# Altium PCB Toradex_Colibri.PcbDoc (part 1 of 2)
Units mm, origin at the board's own origin, x right, y up, seen from the top; angles counter-clockwise.
Board outline 152.4 x 101.6 mm, 2 copper layers (Top Layer, Bottom Layer); 270 components, 262 nets, 1248 pads, 9 vias.
Unrouted connection lines stored in the file: 707.
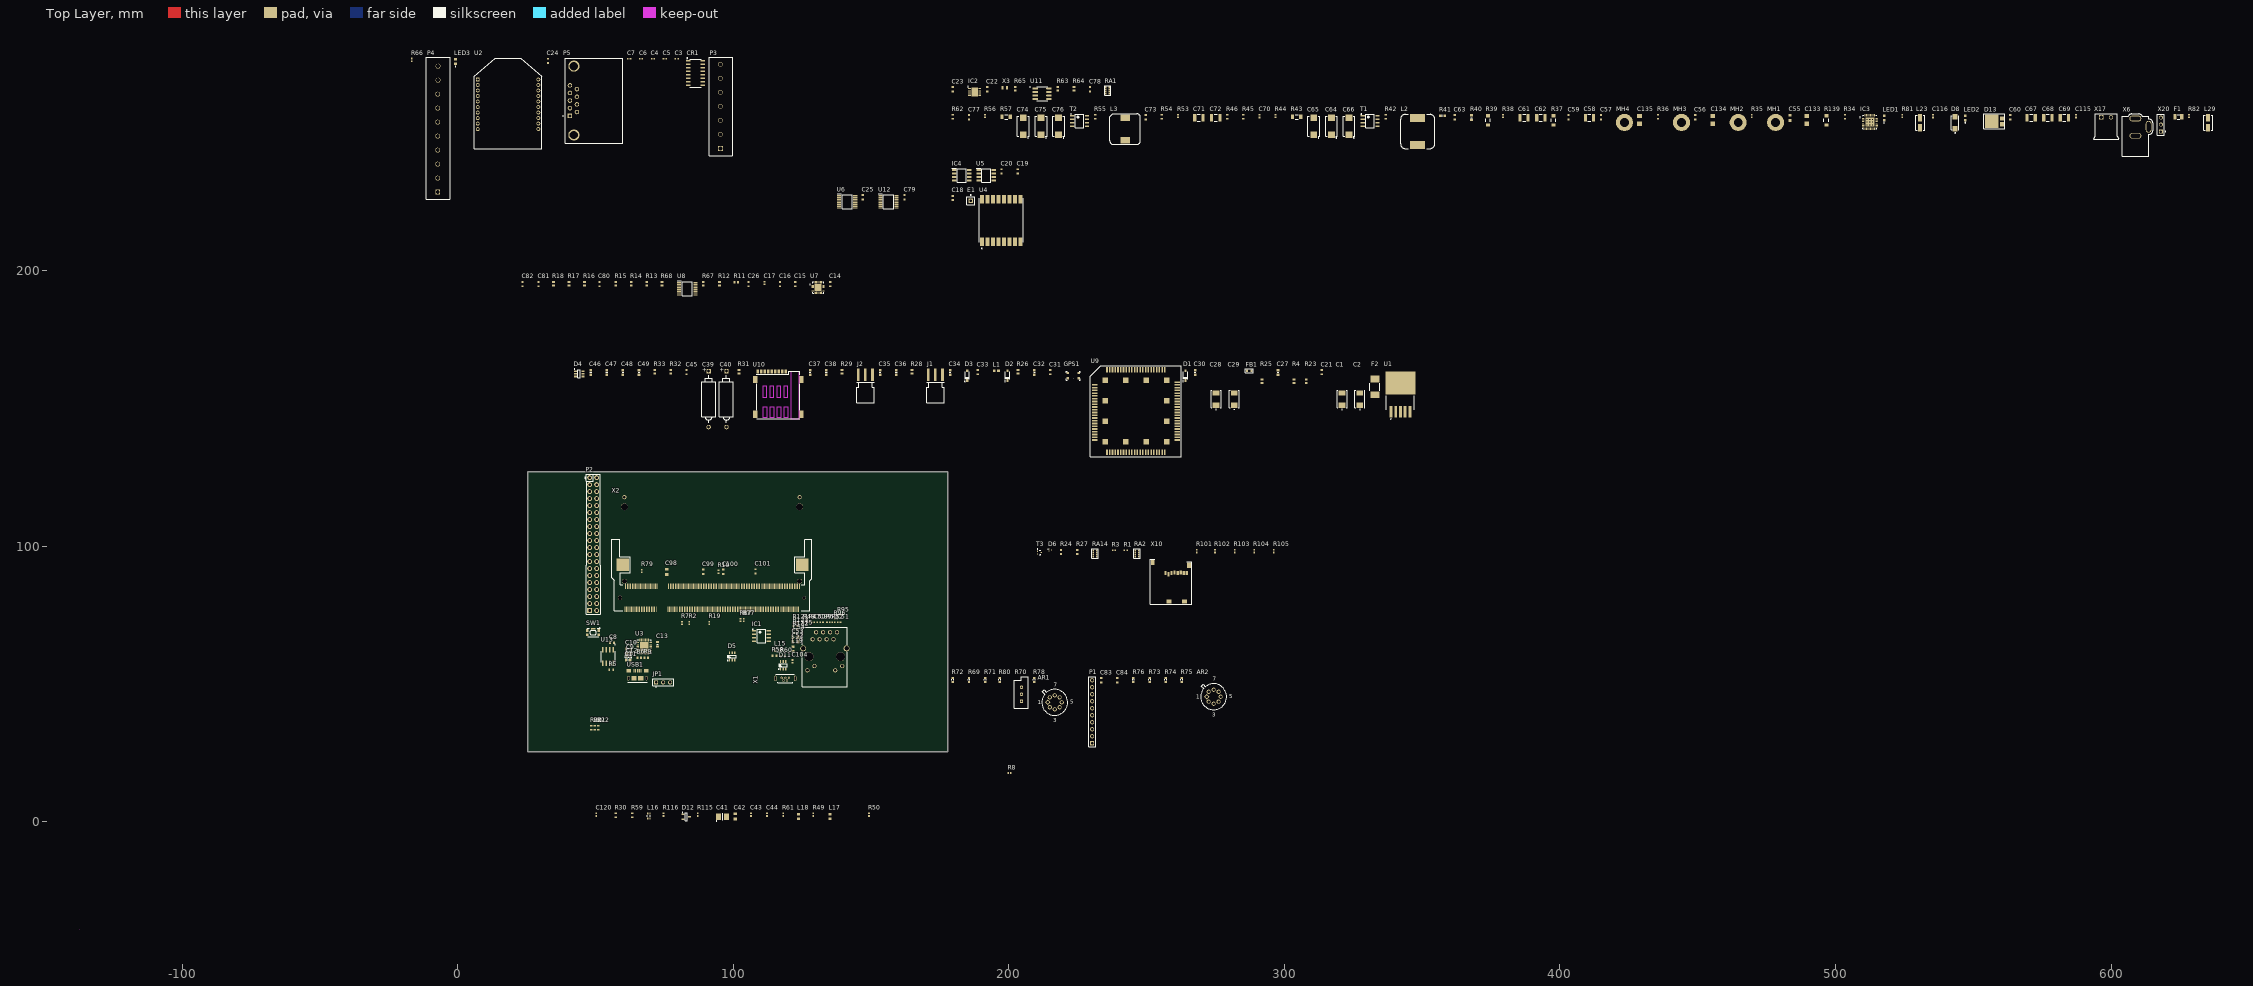
[diagram p0: Top Layer view]
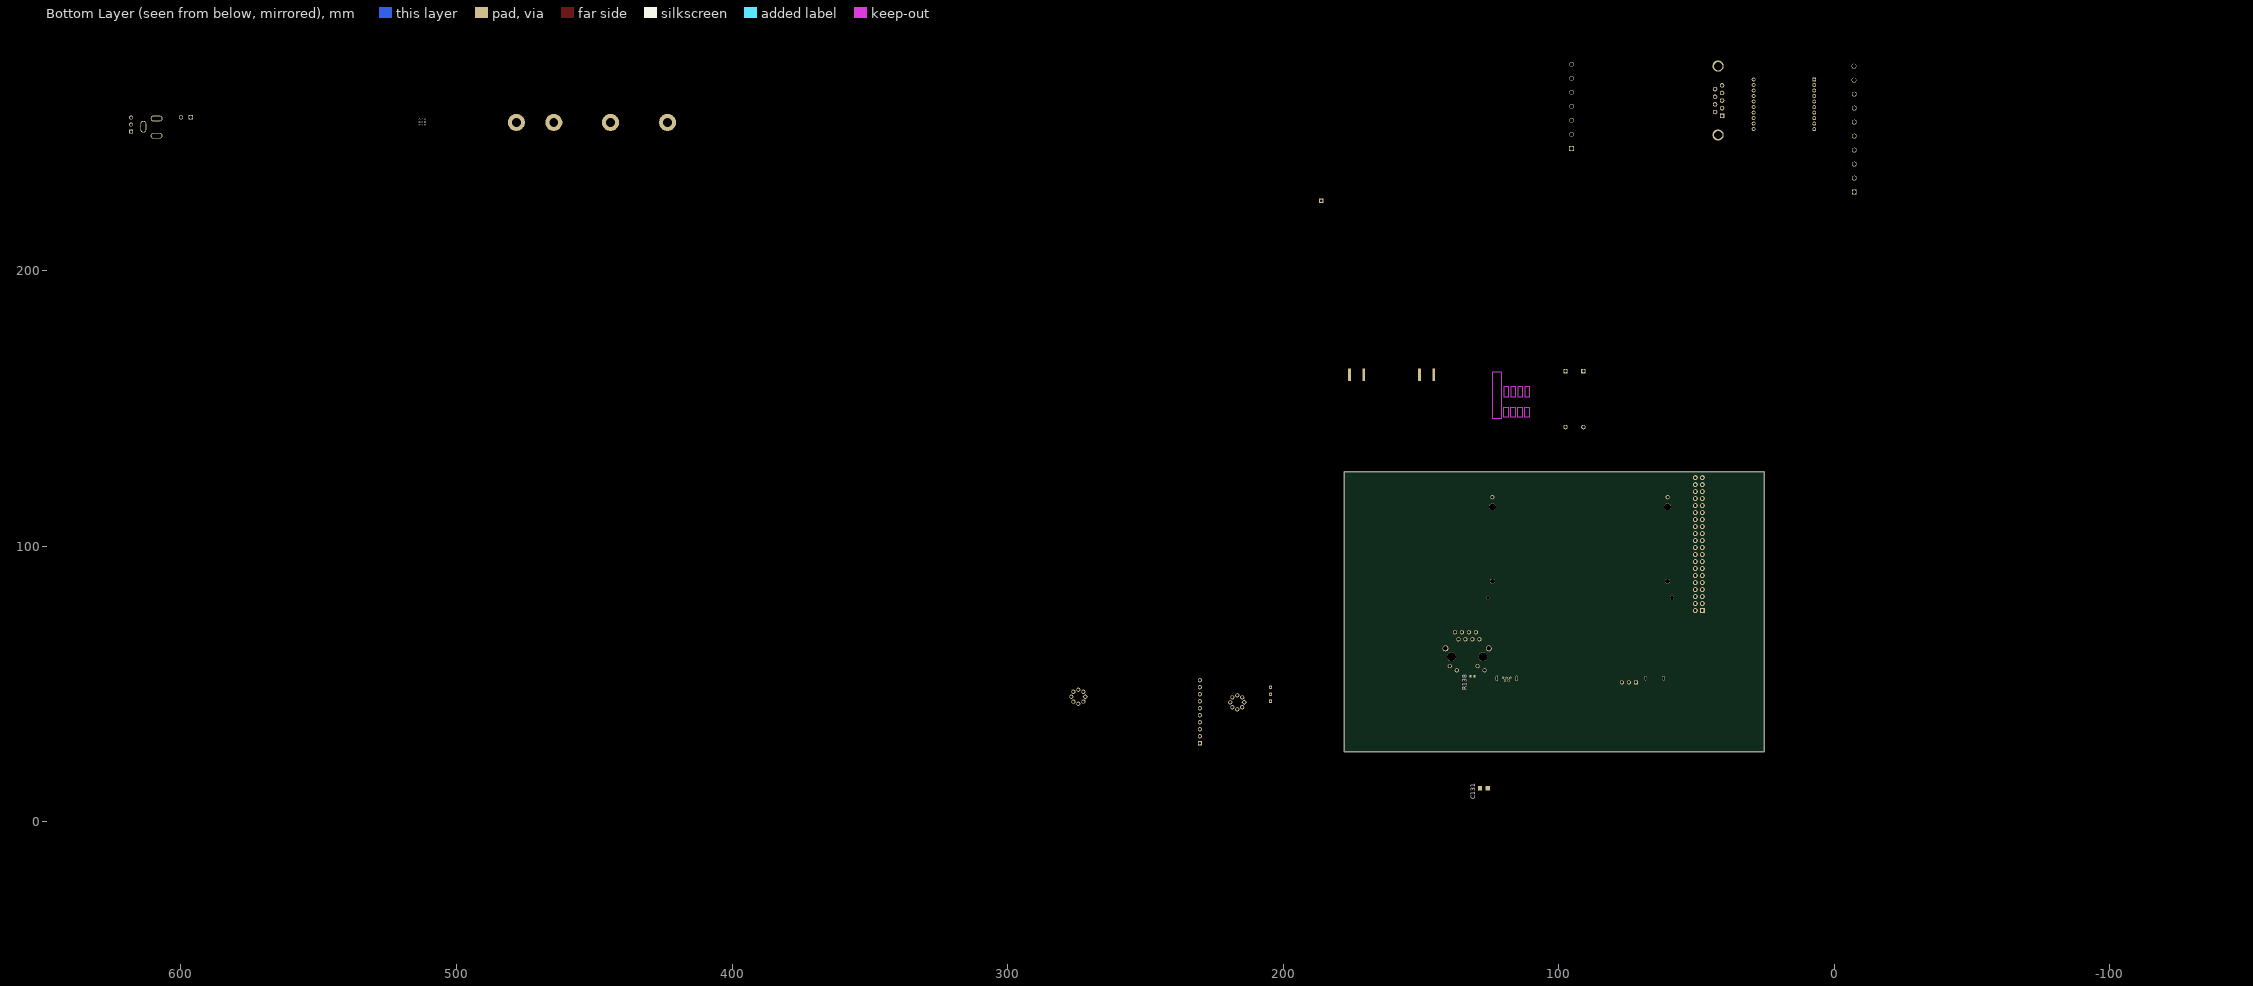
[diagram p1: Bottom Layer view, seen from below]

## Layer stack, top to bottom
Top Solder: solder mask 0.0102, Solder Resist, Dk 3.5
Top Layer: signal copper 0.0356
Dielectric 1: dielectric 0.32, FR-4, Dk 4.8
Bottom Layer: signal copper 0.0356
Bottom Solder: solder mask 0.0102, Solder Resist, Dk 3.5

## Board outline
25.4,25.4 177.8,25.4 177.8,127 25.4,127

## Design rules (kind name [scope] priority, off if disabled: settings)
Clearance [All] p1: gap=0.11 ignorepadtopadclearanceinfootprint=FALSE except(0: Arc-Hole Track-Hole SMDPad-Hole THPad-Hole Via-Hole Fill-Hole Poly-Hole Region-Hole Text-Hole)
ComponentClearance [All] p1: gap=0.1 collisioncheckmode=3 verticalgap=0.1 showdistances=FALSE
DiffPairsRouting [All] p1: maxlimit=0.254 minlimit=0.254 mostfreqgap=0.254 toplayer_minwidth=0.381 toplayer_maxwidth=0.381 toplayer_prefwidth=0.381 bottomlayer_minwidth=0.381 bottomlayer_maxwidth=0.381 bottomlayer_prefwidth=0.381 maxuncoupledlength=12.7
PolygonConnect [All] p1: connectstyle=Relief reliefconductorwidth=0.254 reliefentries=4 polygonreliefangle="90 Angle" airgapwidth=0.254
RoomDefinition Zigbee [InComponentClass('Zigbee')] p1: confinementstyle=ConfineIn formatcopy=TRUE lockcomponents=FALSE outline 0,225.527 117.348,225.527 117.348,280.137 0,280.137
RoomDefinition Serial [InComponentClass('Serial')] p2: confinementstyle=ConfineIn formatcopy=TRUE lockcomponents=FALSE outline 137.143,221.88 166.353,221.88 166.353,230.643 137.143,230.643
RoomDefinition SDCard [InComponentClass('SDCard')] p3: confinementstyle=ConfineIn formatcopy=TRUE lockcomponents=FALSE outline 209.55,78.585 301.625,78.585 301.625,101.826 209.55,101.826
RoomDefinition RTC [InComponentClass('RTC')] p4: confinementstyle=ConfineIn formatcopy=TRUE lockcomponents=FALSE outline 178.943,260.985 238.887,260.985 238.887,269.875 178.943,269.875
RoomDefinition PowerSupply [InComponentClass('PowerSupply')] p5: confinementstyle=ConfineIn formatcopy=TRUE lockcomponents=FALSE outline 178.943,241.173 638.302,241.173 638.302,259.715 178.943,259.715
RoomDefinition Other [InComponentClass('Other')] p6: confinementstyle=ConfineIn formatcopy=TRUE lockcomponents=FALSE outline 178.943,231.648 207.137,231.648 207.137,240.03 178.943,240.03
RoomDefinition LoRa [InComponentClass('LoRa')] p7: confinementstyle=ConfineIn formatcopy=TRUE lockcomponents=FALSE outline 178.943,207.645 205.74,207.645 205.74,230.378 178.943,230.378
RoomDefinition L506 [InComponentClass('L506')] p8: confinementstyle=ConfineIn formatcopy=TRUE lockcomponents=FALSE outline 41.656,131.119 348.742,131.119 348.742,167.187 41.656,167.187
RoomDefinition Analog_Inputs [InComponentClass('Analog_Inputs')] p9: confinementstyle=ConfineIn formatcopy=TRUE lockcomponents=FALSE outline 178.943,26.924 281.432,26.924 281.432,55.372 178.943,55.372
RoutingVias [All] p1: holewidth=0.711 width=1.27 viastyle="Through Hole" minholewidth=0.711 minwidth=1.27 maxholewidth=0.711 maxwidth=1.27
SolderMaskExpansion [All] p1: expansion=0.102 istentingtop=FALSE
Width [All] p1: maxlimit=0.254 minlimit=0.254 preferedwidth=0.254
28 further rules are at their usual default settings.

## Classes and differential pairs
net class USB[0..6]: USB0 USB1 USB2 USB3 USB4 USB5 USB6
net class SD[0..6]: SD0 SD1 SD2 SD3 SD4 SD5 SD6
net class "50 Ohm": ANT_AUX ANT_GNSS ANT_MAIN NetC32_1 NetC32_2 NetC36_2 NetC38_2 NetGPS1_1
component class Zigbee: C3 C4 C5 C6 C7 C24 CR1 LED3 P3 P4 P5 R66 U2
component class USB: C41 C42 C43 C44 C104 C120 D5 D11 D12 IC1 L15 L16 L17 L18 R8 R30 R49 R50 R58 R59 R60 R61 R77 R87 R115 R116 X1
component class SPI: C14 C15 C16 C17 C26 C80 C81 C82 P2 R11 R12 R13 R14 R15 R16 R17 R18 R67 R68 U7 U8
component class Serial: C25 C79 U6 U12
component class SDCard: D6 R1 R3 R24 R27 R101 R102 R103 R104 R105 RA2 RA14 T3 X10
component class RTC: C22 C23 C78 IC2 R63 R64 R65 RA1 U11 X3
component class PowerSupply: C55 C56 C57 C58 C59 C60 C61 C62 C63 C64 C65 C66 C67 C68 C69 C70 C71 C72 C73 C74 C75 C76 C77 C115 C116 C133 C134 C135 D8 D13 F1 IC3 L2 L3 L23 L29 LED1 LED2 MH1 MH2 MH3 MH4 R34 R35 R36 R37 R38 R39 R40 R41 R42 R43 R44 R45 R46 R53 R54 R55 R56 R57 R62 R81 R82 R139 T1 T2 X6 X17 X20
component class Other: C19 C20 IC4 U5
component class LoRa: C18 E1 U4
component class L506: C1 C2 C21 C27 C28 C29 C30 C31 C32 C33 C34 C35 C36 C37 C38 C39 C40 C45 C46 C47 C48 C49 D1 D2 D3 D4 F2 FB1 GPS1 J1 J2 L1 R4 R23 R25 R26 R28 R29 R31 R32 R33 U1 U9 U10
component class Ethernet: C50 C51 C52 C53 C54 C89 C131 L19 R47 R48 R51 R52 R95 R96 R121 R122 R123 R138 X15
component class DebugConsole: C8 C9 C10 C11 C12 C13 R5 R6 R9 U3 U13 USB1
component class Colibri: C98 C99 C100 C101 JP1 R2 R7 R10 R19 R20 R21 R22 R79 SW1 X2
component class Analog_Inputs: AR1 AR2 C83 C84 P1 R69 R70 R71 R72 R73 R74 R75 R76 R78 R80
differential pair USBH: +USBH_P -USBH_N
differential pair USBC: +USBC_P -USBC_N
differential pair USB_HOST: +USB_HOST_P -USB_HOST_N
differential pair USB_CLIENT: +USB_CLIENT_P -USB_CLIENT_N
differential pair RS485_TX: +RS485_TX_P -RS485_TX_N
differential pair RS485_RX: +RS485_RX_P -RS485_RX_N

## Components (designator, comment, footprint, x,y, rotation, side; value= is the part's Value field where it differs from the comment)
AR1 "Op Amp" H-08A 216.662,43.307 r0 top
AR2 "Op Amp" H-08A 274.32,45.339 r0 top
C1 "100uF" "2312 Tant" 320.929,153.344 r90 top
C2 "330uF" "2312 Tant" 327.406,153.344 r90 top
C3 "100pF" CAPC1005X60N 79.479,276.835 r0 top
C4 "100pF" CAPC1005X60N 70.843,276.835 r0 top
C5 "100pF" CAPC1005X60N 75.161,276.835 r0 top
C6 "100pF" CAPC1005X60N 66.525,276.835 r0 top
C7 "100pF" CAPC1005X60N 62.207,276.835 r0 top
C8 "100nF" T_CAPC0603X33N 56.007,64.897 r0 top
C9 "100nF" CAPC1608X06L 62.103,61.214 r180 top
C10 "4.7uF" CAPC1608X100N 61.976,62.648 r180 top
C11 "1uF" CAPC1608X100N 61.849,58.547 r180 top
C12 "100nF" CAPC1608X06L 61.976,59.944 r180 top
C13 "4.7uF" CAPC1608X100N 72.517,64.389 r90 top
C14 "100nF" T_CAPC0603X33N 135.255,195.072 r90 top
C15 "100nF" T_CAPC0603X33N 122.555,195.072 r90 top
C16 "100nF" T_CAPC0603X33N 116.967,195.072 r90 top
C17 "1nF" CAPC1005X60N 111.379,195.453 r90 top
C18 "100nF" T_CAPC0603X33N 179.705,226.314 r90 top
C19 "100nF" T_CAPC0603X33N 203.2,235.966 r90 top
C20 "100nF" T_CAPC0603X33N 197.358,235.966 r90 top
C21 "100nF" T_CAPC0603X33N 313.563,163.123 r90 top
C22 "100nF" T_CAPC0603X33N 192.151,265.811 r90 top
C23 "100nF" T_CAPC0603X33N 179.705,265.811 r90 top
C24 "100nF" T_CAPC0603X33N 32.743,276.073 r90 top
C25 "100nF" T_CAPC0603X33N 147.049,226.579 r90 top
C26 "100nF" T_CAPC0603X33N 105.537,195.072 r90 top
C27 "1uF" CAPC1608X100N 297.688,162.996 r90 top
C28 "100uF" "2312 Tant" 275.209,153.344 r90 top
C29 "100uF" "2312 Tant" 281.813,153.344 r90 top
C30 "1uF" CAPC1608X100N 267.589,162.996 r90 top
C31 "100nF" T_CAPC0603X33N 215.011,163.123 r90 top
C32 "0.8pF" CAPC1608X100N 209.296,162.996 r90 top
C33 "100nF" T_CAPC0603X33N 188.722,163.123 r90 top
C34 "5.1pF" CAPC1608X100N 178.689,162.996 r90 top
C35 "NF" CAPC1608X100N 153.289,162.996 r90 top
C36 "NF" CAPC1608X100N 159.131,162.996 r90 top
C37 "NF" CAPC1608X100N 127.889,162.996 r90 top
C38 "NF" CAPC1608X100N 133.731,162.996 r90 top
C39 "100uF" POLAR0.8 91.059,153.344 r90 top
C40 "100uF" POLAR0.8 97.536,153.344 r90 top
C41 "100uF" CAPMP3528X210N 96.139,1.775 r0 top
C42 "22uF" T_CAPC0805X125N 100.711,1.902 r90 top
C43 "100nF" CAPC1005X60N 106.426,2.537 r90 top
C44 "100nF" CAPC1005X60N 112.268,2.537 r90 top
C45 "100nF" T_CAPC0603X33N 83.058,163.123 r90 top
C46 "0603" CAPC1608X100N 48.26,162.996 r90 top value=33pF
C47 "0603" CAPC1608X100N 54.102,162.996 r90 top value=33pF
C48 "0603" CAPC1608X100N 59.944,162.996 r90 top value=33pF
C49 "0603" CAPC1608X100N 65.786,162.996 r90 top value=0.1uF
C50 "100nF" CAPC1005X60N 129.921,72.39 r180 top
C51 "100nF" CAPC1005X60N 138.43,72.39 r180 top
C52 "47uF" T_CAPC0805X125N 122.555,65.278 r0 top
C53 "47uF" T_CAPC0805X125N 122.555,66.929 r0 top
C54 "100nF" CAPC1005X60N 122.555,68.453 r0 top
C55 "10uF" T_CAPC0805X125N 483.489,255.397 r90 top
C56 "1uF" T_CAPC0603X33N 449.072,255.651 r90 top
C57 "10uF" T_CAPC0603X33N 414.909,255.651 r90 top
C58 "22uF" CAPC3225X160N 410.718,255.397 r0 top
C59 "1nF" T_CAPC0603X33N 403.098,255.651 r90 top
C60 "100nF" T_CAPC0603X33N 563.372,255.651 r90 top
C61 "10uF" CAPC3225X160N 386.969,255.397 r0 top
C62 "10uF" CAPC3225X160N 393.065,255.397 r0 top
C63 "100nF" T_CAPC0603X33N 361.823,255.651 r90 top
C64 "150uF" CAPMP7343X310N 317.119,252.349 r90 top
C65 "150uF" CAPMP7343X310N 310.642,252.349 r90 top
C66 "150uF" CAPMP7343X310N 323.469,252.349 r90 top
C67 "10uF" CAPC3225X160N 570.992,255.397 r0 top
C68 "10uF" CAPC3225X160N 577.088,255.397 r0 top
C69 "10uF" CAPC3225X160N 583.057,255.397 r0 top
C70 "2.7nF" CAPC1005X60N 290.957,256.032 r90 top
C71 "10uF" CAPC3225X160N 268.986,255.397 r0 top
C72 "10uF" CAPC3225X160N 275.082,255.397 r0 top
C73 "100nF" T_CAPC0603X33N 249.682,255.651 r90 top
C74 "150uF" CAPMP7343X310N 205.232,252.349 r90 top
C75 "150uF" CAPMP7343X310N 211.709,252.349 r90 top
C76 "150uF" CAPMP7343X310N 218.059,252.349 r90 top
C77 "1nF" T_CAPC0603X33N 185.547,255.651 r90 top
C78 "100nF" T_CAPC0603X33N 229.489,265.811 r90 top
C79 "100nF" T_CAPC0603X33N 162.162,226.579 r90 top
C80 "100nF" T_CAPC0603X33N 51.435,195.072 r90 top
C81 "100nF" T_CAPC0603X33N 29.337,195.072 r90 top
C82 "100nF" T_CAPC0603X33N 23.495,195.072 r90 top
C83 "100nF" T_CAPC0603X33N 233.553,51.308 r90 top
C84 "100nF" T_CAPC0603X33N 239.395,51.308 r90 top
C89 "100nF" CAPC1005X60N 132.08,72.39 r0 top
C98 "22uF" T_CAPC0805X125N 75.819,90.678 r270 top
C99 "4.7uF" T_CAPC0603X33N 89.154,90.678 r90 top
C100 "4.7uF" T_CAPC0603X33N 96.393,90.678 r90 top
C101 "4.7uF" T_CAPC0603X33N 108.077,90.805 r90 top
C104 "100nF" CAPC1005X60N 121.539,58.166 r90 top
C115 "100nF" CAPC1005X60N 587.248,256.032 r90 top
C116 "100nF" CAPC1005X60N 535.432,256.032 r90 top
C120 "100nF" CAPC1005X60N 50.292,2.537 r90 top
C131 "1nF" T_CAPC1206X180N 127.127,12.08 r0 bottom
C133 "1nF" T_CAPC1206X180N 489.585,254.635 r90 top
C134 "1nF" T_CAPC1206X180N 455.422,254.635 r90 top
C135 "1nF" T_CAPC1206X180N 428.879,254.635 r90 top
CR1 "ST3232EBDR" SO-16_STM 86.337,271.628 r0 top
D1 "MMSZ5231B-TP" SOD3715X145N 264.16,161.853 r90 top
D2 "TVS" SOD3715X145N 199.517,161.853 r90 top
D3 "TVS" SOD3715X145N 184.912,161.853 r90 top
D4 "ESDA6V1-5SC6" SOT95P280X100-6N 44.069,162.488 r0 top
D5 "RCLAMP0504S" T_SOT95P285X90-6N 99.568,59.944 r90 top
D6 "TPD2EUSB30DRTR" T_TI_TPD2EUSB30DRTR 215.011,98.524 r0 top
D8 "D-Littelfuse-SMAJ30CA-Schottky" T_LITTLEFUSE_SMAJ30CA 543.433,253.619 r90 top
D11 "RCLAMP0504S" T_SOT95P285X90-6N 118.11,56.769 r90 top
D12 "BAT54C" SOT95P230X110-3N 82.931,1.775 r0 top
D13 "SS8P6C-M3/86A" T_DIOM_TO277A 556.641,254.127 r0 top
E1 "142-0701-801" PIN1 186.182,225.298 r0 top
F1 "8A" T_Littelfuse_0458 624.459,255.778 r0 top
F2 "Fuse 1" SSQC_BEL 332.867,157.789 r90 top
FB1 "FBTH1608HL300-T" IND-0603 287.274,163.631 r0 top
GPS1 "1462350001" 1462350001 223.393,161.853 r0 top
IC1 "TPS2042BD" SOIC127P600X173-8N 110.236,67.31 r0 top
IC2 "A7101CHTK2_T0BC2VJ" SON80P400X400X100-9N-D 187.579,264.795 r0 top
IC3 "TPS51120" QFN50P500X500X100-33N 512.445,253.873 r0 top
IC4 "TLE9251VSJXUMA1" SOIC127P602X173-8N 182.88,234.569 r0 top
J1 "EMPCB.SMAFSTJ.B.HT" EMPCB.SMAFSTJ.B.HT 173.355,162.107 r0 top
J2 "EMPCB.SMAFSTJ.B.HT" EMPCB.SMAFSTJ.B.HT 147.955,162.107 r0 top
JP1 "826936-3" T_TYCO_826936-3 72.009,50.546 r0 top
L1 "3.3nH" INDC1608X100N 195.453,163.631 r0 top
L2 "8.2uH" T_INDM120120X80N 348.361,250.444 r0 top
L3 "4.7uH" T_INDM102102X45N 242.189,251.333 r0 top
L15 "90R@100MHz" T_Murata_DLW21SN900SQ2 116.078,62.23 r0 top
L16 "90R@100MHz" T_Murata_DLW21SN900SQ2 69.342,2.029 r90 top
L17 "220R@100MHz" INDC1608X95N 135.128,1.902 r90 top
L18 "220R@100MHz" INDC1608X95N 123.698,1.902 r90 top
L19 "220R@100MHz" INDC1608X95N 121.666,62.611 r90 top
L23 "36R@100MHz" T_Laird_35F0121-0SR-10 530.733,253.619 r90 top
L29 "36R@100MHz" T_Laird_35F0121-0SR-10 635.254,253.619 r90 top
LED1 "LED" LEDC1608X80N 517.652,255.397 r90 top
LED2 "LED" LEDC1608X80N 547.116,255.397 r90 top
LED3 "LED" LEDC1608X80N -0.785,275.819 r90 top
MH1 "MECH-MountingHoles" T_MountingHoles 478.282,253.746 r0 top
MH2 "MECH-MountingHoles" T_MountingHoles 464.693,253.746 r0 top
MH3 "MECH-MountingHoles" T_MountingHoles 444.119,253.746 r0 top
MH4 "MECH-MountingHoles" T_MountingHoles 423.418,253.746 r0 top
P1 "Header 10" HDR1X10 230.251,28.448 r90 top
P2 "Raspbbery Pi" RASPI_GPIO_B+_PIN 49.149,100.711 r0 top
P3 "MB612-50807" MB612-50807 95.354,259.563 r90 top
P4 "MB612-50810" "1729186 5.08 - 10pos" -7.135,246.228 r90 top
P5 "RS232" 2301843-1 40.744,256.134 r90 top
R1 "22R" RESC1005X40N 242.443,98.524 r0 top
R2 "22R" RESC1005X40N 84.074,72.136 r270 top
R3 "22R" RESC1005X40N 238.125,98.524 r0 top
R4 "100K" RESC1608X50N 303.53,159.821 r90 top
R5 "120R" T_RESC0603X30N 55.753,55.118 r0 top
R6 "10K" RESC1608X50N 65.913,59.436 r0 top
R7 "22R" RESC1005X40N 81.407,72.136 r270 top
R8 "22R" RESC1005X40N 200.279,17.635 r0 top
R9 "10K" RESC1608X50N 68.453,59.436 r0 top
R10 "22R" RESC1005X40N 94.615,90.678 r90 top
R11 "1K" RESC1608X50N 101.092,195.707 r0 top
R12 "1K" RESC1608X50N 94.996,195.199 r90 top
R13 "1K" RESC1608X50N 68.58,195.199 r90 top
R14 "1K" RESC1608X50N 62.992,195.199 r90 top
R15 "1K" RESC1608X50N 57.404,195.199 r90 top
R16 "1K" RESC1608X50N 45.974,195.199 r90 top
R17 "1K" RESC1608X50N 40.386,195.199 r90 top
R18 "1K" RESC1608X50N 34.798,195.199 r90 top
R19 "10K" RESC1005X40N 91.313,72.136 r270 top value=10KR
R20 "100R" T_RESC0603X30N 48.514,34.036 r90 top
R21 "100R" T_RESC0603X30N 49.784,34.036 r90 top
R22 "100R" T_RESC0603X30N 51.054,34.036 r90 top
R23 "470R" RESC1608X50N 307.975,159.821 r90 top
R24 "100K" T_RESC0603X30N 218.948,97.889 r90 top value=100KR
R25 "47K" RESC1608X50N 291.846,159.821 r90 top
R26 "0R" RESC1608X50N 203.327,163.25 r90 top
R27 "100K" T_RESC0603X30N 224.79,97.889 r90 top value=100KR
R28 "0R" RESC1608X50N 164.846,163.25 r90 top
R29 "0R" RESC1608X50N 139.446,163.25 r90 top
R30 "15K" T_RESC0603X30N 57.404,2.283 r90 top value=15KR
R31 "51R" RESC1608X50N 102.108,163.25 r90 top
R32 "51R" RESC1608X50N 77.343,163.25 r90 top
R33 "51R" RESC1608X50N 71.501,163.25 r90 top
R34 "0R" T_RESC0603X30N 503.428,255.778 r90 top
R35 "4.7R" RESC1005X40N 469.646,256.032 r90 top
R36 "0R" T_RESC0603X30N 435.61,255.778 r90 top
R37 "0R" T_RESC3216X760N 397.637,254.508 r90 top
R38 "4.7R" RESC1005X40N 379.349,256.032 r90 top
R39 "0R" T_RESC3216X760N 373.888,254.508 r90 top
R40 "0R" CAPC1608X100N 367.919,255.524 r90 top
R41 "0R" CAPC1608X100N 357.378,256.159 r0 top
R42 "100K" T_RESC0603X30N 336.804,255.778 r90 top value=100KR
R43 "15mR" RESC3316X76N 304.419,255.778 r0 top
R44 "6.2K" RESC1005X40N 296.799,256.032 r90 top value=6.2KR
R45 "3.6K" T_RESC0603X30N 285.115,255.778 r90 top value=3.6KR
R46 "0R" T_RESC0603X30N 279.273,255.778 r90 top
R47 "49.9R" RESC1005X40N 128.016,72.39 r180 top
R48 "49.9R" RESC1005X40N 126.111,72.39 r180 top
R49 "100K" RESC1005X40N 129.032,2.537 r90 top value=100KR
R50 "100K" RESC1005X40N 149.225,2.537 r90 top value=100KR
R51 "49.9R" RESC1005X40N 134.493,72.39 r0 top
R52 "49.9R" RESC1005X40N 136.398,72.39 r0 top
R53 "4.7R" RESC1005X40N 261.366,256.032 r90 top
R54 "0R" T_RESC0603X30N 255.524,255.778 r90 top
R55 "100K" T_RESC0603X30N 231.394,255.778 r90 top value=100KR
R56 "10K" RESC1005X40N 191.389,256.032 r90 top value=10KR
R57 "24mR" RESC3316X76N 199.009,255.778 r0 top
R58 "15K" T_RESC0603X30N 114.935,60.198 r0 top value=15KR
R59 "15K" T_RESC0603X30N 63.373,2.283 r90 top value=15KR
R60 "15K" T_RESC0603X30N 117.983,60.071 r180 top value=15KR
R61 "100K" RESC1005X40N 118.11,2.537 r90 top value=100KR
R62 "3.3K" T_RESC0603X30N 179.705,255.778 r90 top value=3.3KR
R63 "10k" RESC1608X50N 217.805,265.938 r90 top
R64 "10k" RESC1608X50N 223.647,265.938 r90 top
R65 "10k" RESC1608X50N 202.311,265.938 r90 top
R66 "200" RESC1005X40N -16.66,276.454 r90 top value=1K
R67 "1K" RESC1608X50N 89.154,195.199 r90 top
R68 "1K" RESC1608X50N 74.168,195.199 r90 top
R69 "Res3" J1-0603 185.547,51.435 r90 top value=4K
R70 "RPot" VR5 204.597,46.228 r90 top value=1K
R71 "Res3" J1-0603 191.389,51.435 r90 top value=4K
R72 "Res3" J1-0603 179.705,51.435 r90 top value=4K
R73 "Res3" J1-0603 251.079,51.435 r90 top value=150
R74 "Res3" J1-0603 256.921,51.435 r90 top value=150
R75 "Res3" J1-0603 262.763,51.435 r90 top value=150
R76 "Res3" J1-0603 245.237,51.435 r90 top value=100